# Altium PCB Power_Rail_Probe.PcbDoc
Units mm, origin at the board's own origin, x right, y up, seen from the top; angles counter-clockwise.
Board outline 160.2 x 55.2 mm, 4 copper layers (Top Layer, Layer 1, Layer 2, Bottom Layer), stack 1.592 mm thick; 122 components, 70 nets, 338 pads, 54 vias.
Unrouted connection lines stored in the file: 4.
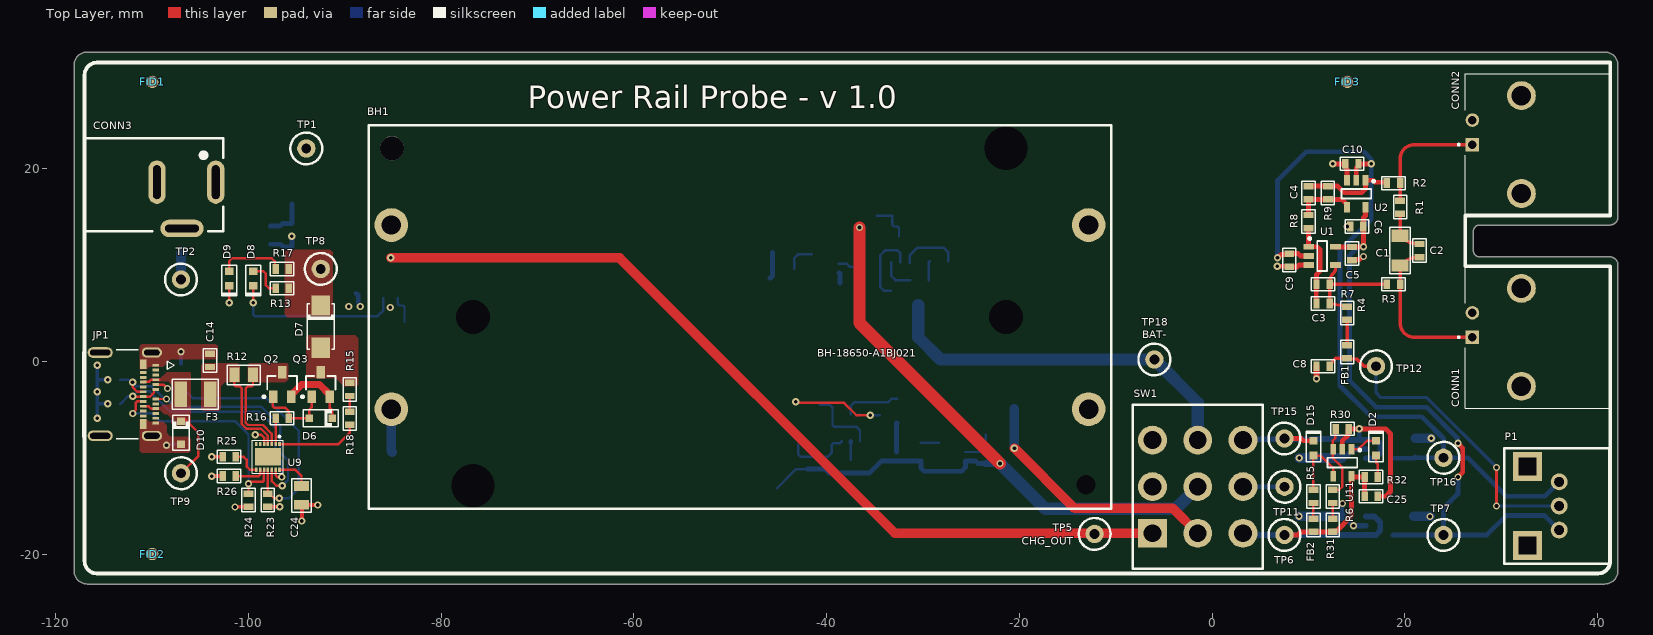
[diagram p0: Top Layer view]
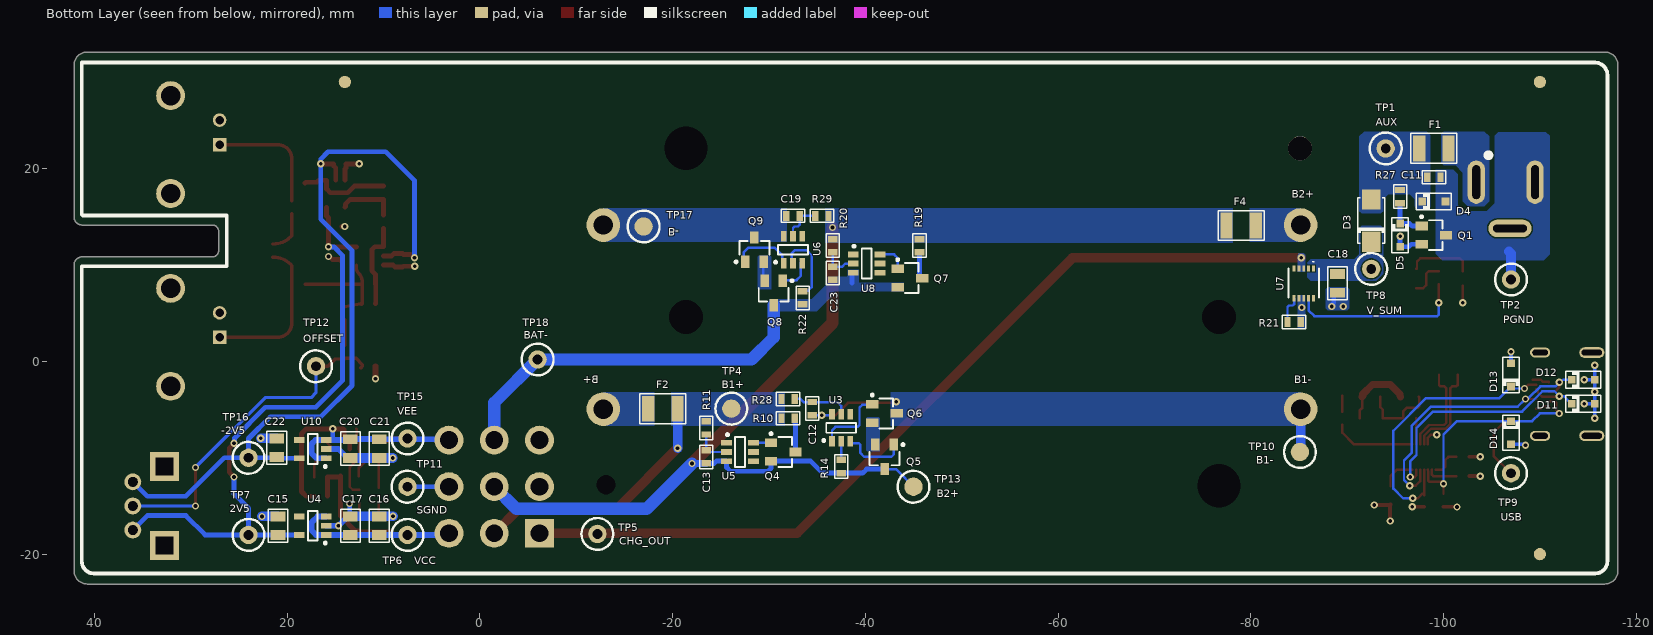
[diagram p1: Bottom Layer view, seen from below]
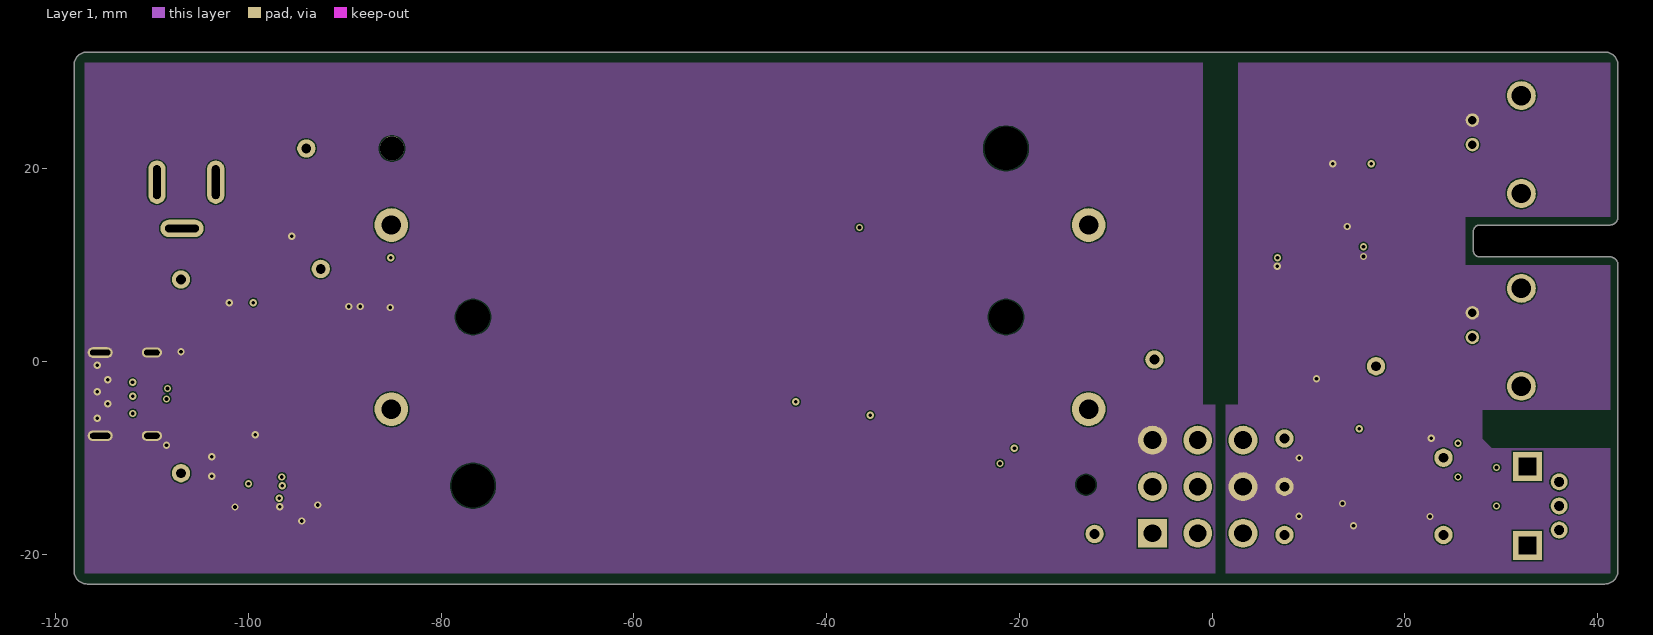
[diagram p2: Layer 1]
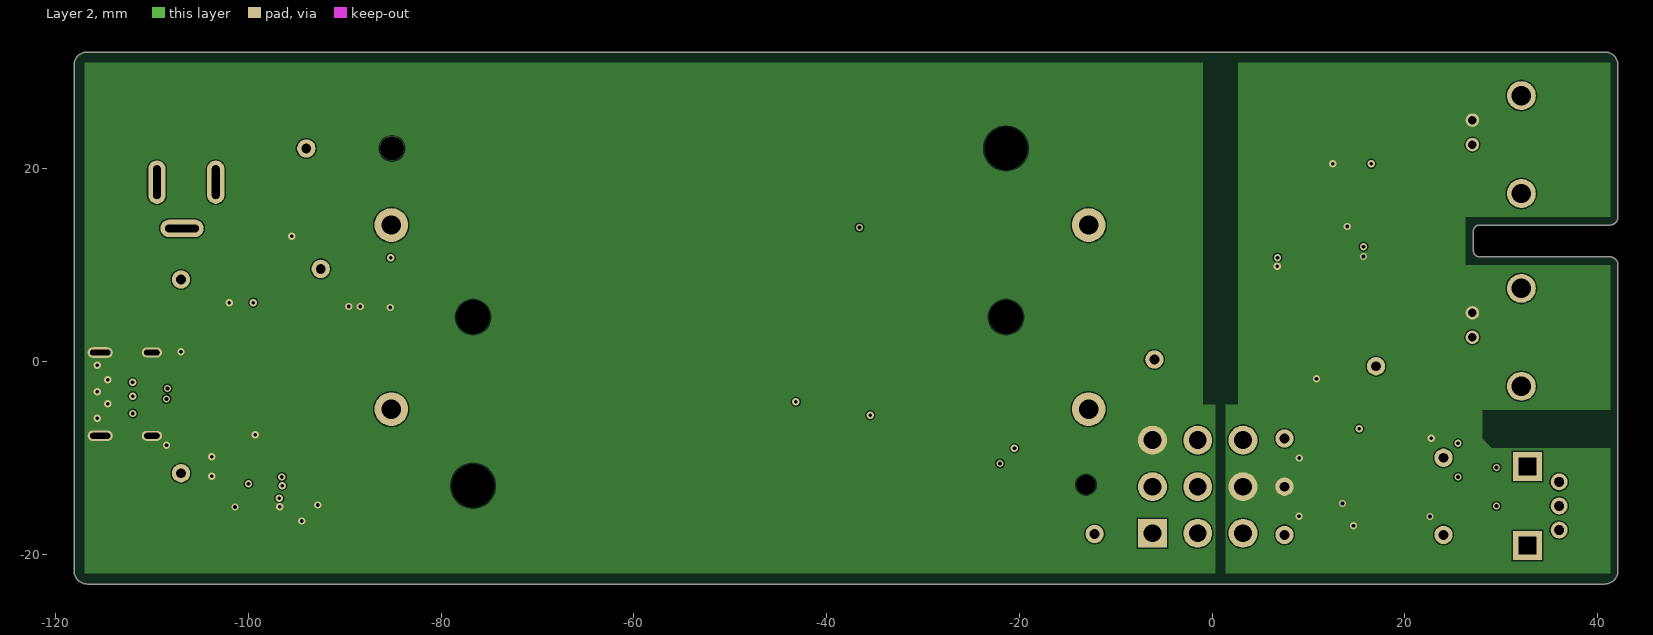
[diagram p3: Layer 2]
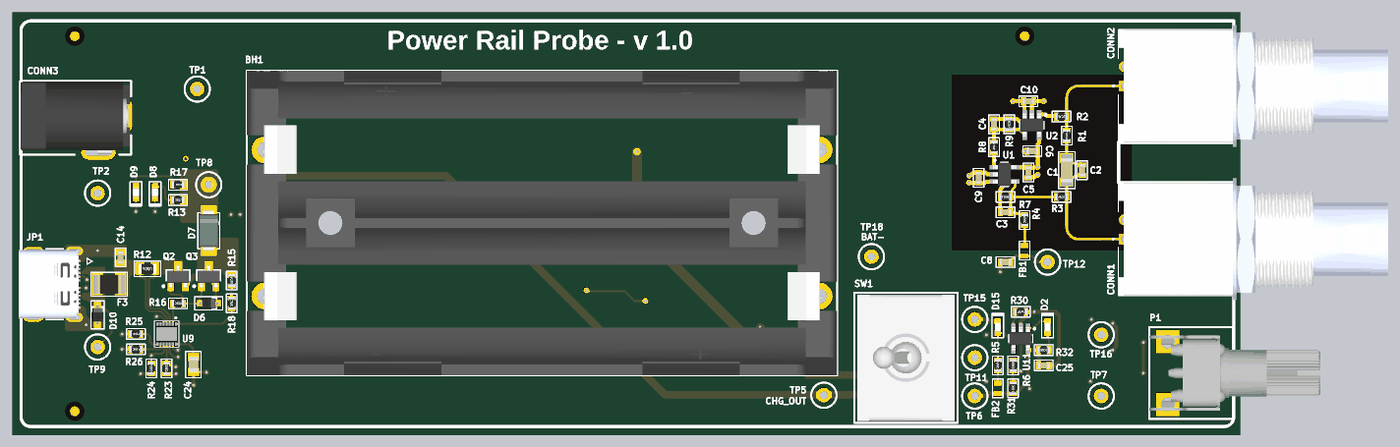
[diagram p4: 3D render of the assembled board from above, using the file's embedded part models]
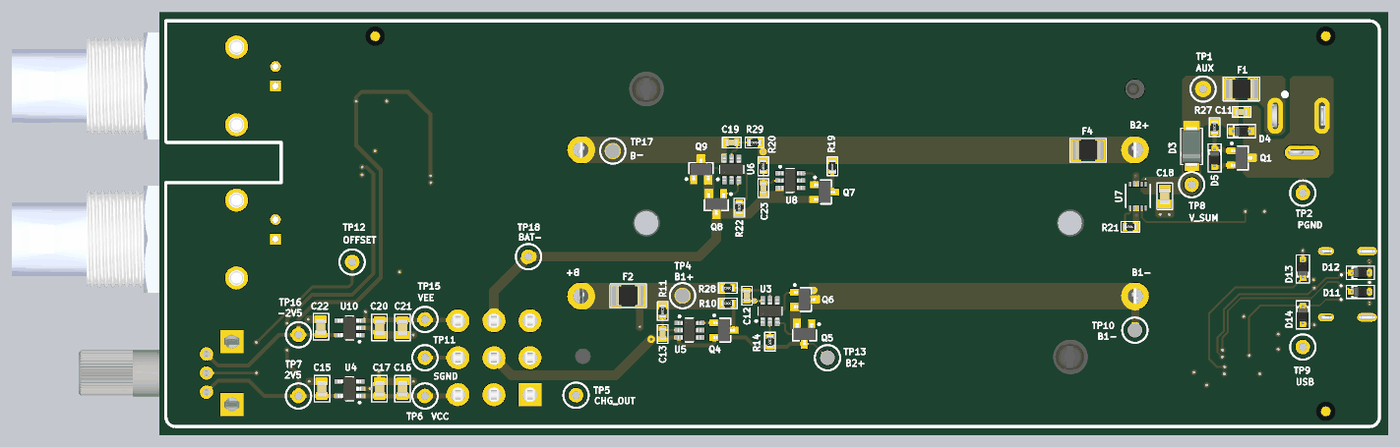
[diagram p5: 3D render of the assembled board from below, using the file's embedded part models]

## Layer stack, top to bottom
Top Solder: solder mask 0.0305, Solder Resist, Dk 3.5
Top Layer: signal copper 0.035
Dielectric 2: prepreg 0.2104, PP-022, Dk 4.4
Layer 1: signal copper 0.018
Dielectric 1: core 1.065, Core-043, Dk 4.6
Layer 2: signal copper 0.018
Dielectric 3: prepreg 0.2104, PP-022, Dk 4.4
Bottom Layer: signal copper 0.035
Bottom Solder: solder mask 0.0305, Solder Resist, Dk 3.5

## Board outline
-118.1,-21.73 ccw(c-116.73,-21.73) -116.73,-23.1 40.73,-23.1 ccw(c40.73,-21.73) 42.1,-21.73 42.1,10 ccw(c41.25,10) 41.25,10.85 27.75,10.85 cw(c27.75,11.5) 27.1,11.5 27.1,13.5 cw(c27.75,13.5) 27.75,14.15 41.25,14.15 ccw(c41.25,15) 42.1,15 42.1,30.73 ccw(c40.73,30.73) 40.73,32.1 -116.73,32.1 ccw(c-116.73,30.73) -118.1,30.73

## Design rules (kind name [scope] priority, off if disabled: settings)
Clearance [All] p1: gap=0.127 ignorepadtopadclearanceinfootprint=TRUE
DiffPairsRouting [InDifferentialPair('USB_D')] p1: maxlimit=0.254 minlimit=0.254 mostfreqgap=0.254 toplayer_minwidth=0.254 toplayer_maxwidth=0.381 toplayer_prefwidth=0.254 midlayer1_minwidth=0.254 midlayer1_maxwidth=0.381 midlayer1_prefwidth=0.254 midlayer2_minwidth=0.254 midlayer2_maxwidth=0.381 midlayer2_prefwidth=0.254 bottomlayer_minwidth=0.254 bottomlayer_maxwidth=0.381 bottomlayer_prefwidth=0.254 maxuncoupledlength=12.7
MatchedLengths MatchedLengths_USB [InDifferentialPair('USB_D')] p1: tolerance=25.4 checknetsindiffpair=FALSE checkdiffpairvsdiffpair=TRUE checkxsignals=TRUE checkothers=TRUE usedelayunits=TRUE delaytolerance=10.000000
PlaneConnect [All] p1: planeconnectstyle=Direct reliefexpansion=0.508 reliefentries=4 reliefconductorwidth=0.254 reliefairgap=0.254
PolygonConnect [All] p1: connectstyle=Direct reliefconductorwidth=0.254 reliefentries=4 polygonreliefangle="90 Angle" airgapwidth=0.254
RoutingVias [All] p1: holewidth=0.381 width=0.762 viastyle="Through Hole" minholewidth=0.381 minwidth=0.762 maxholewidth=0.762 maxwidth=1.016
SolderMaskExpansion [All] p1: expansion=0.102 istentingtop=FALSE
Width Width_Signal [InNetClass('50_Ohm_Tracks')] p1: maxlimit=0.349 minlimit=0.254 preferedwidth=0.349 toplayer_minwidth=0.349 bottomlayer_minwidth=0.349 impedanceprofiledriven=TRUE impedanceprofileid={102165CA-3B5F-4B1E-8828-496F2CCE18BE} impedanceprofilevalue=50.000000 minimp=50.000000 maximp=50.000000 favimp=50.000000
Width Width_Power [InNetClass('Power')] p2: maxlimit=2.54 minlimit=0.254 preferedwidth=0.254
Width [All] p3: maxlimit=1 minlimit=0.254 preferedwidth=0.254
28 further rules are at their usual default settings.

## Classes and differential pairs
net class 50_Ohm_Tracks: INPUT NetC1_2 NetC3_2 OUTPUT
net class Power: 2V5 -2V5 AUX BAT1_NEG BAT1_POS BAT2_NEG BAT2_POS BAT- GND_USB PGND SGND Vcc VCC_USB Vee VSUM
net class USB_POWER: GND_USB ISEL NetC14_2 NetC24_2 NetD6_A NetD6_K NetD7_A NetD9_A NetJP1_A2 NetJP1_A3 NetJP1_A8 NetJP1_A10 NetJP1_A11 NetJP1_B2 NetJP1_B3 NetJP1_B8 NetJP1_B10 NetJP1_B11 NetQ2_3 NetR15_1 NetR16_1 NetR18_1 NetR25_2 NetR26_2 NetU9_6 NetU9_7 USB_CC1 USB_CC2 USB_D_N USB_D_P VCC_USB VSEL VSUM
net class SIGNAL: 2V5 -2V5 INPUT NetC1_2 NetC3_1 NetC3_2 NetC4_1 NetC4_2 NetFB1_2 OFFSET OUTPUT SGND
net class ON_OFF: BAT1_POS BAT2_POS BAT- GND_USB NetSW1_1 NetSW1_4 SGND Vcc Vee
net class LDOS: 2V5 -2V5 NetU4_4 NetU10_4 SGND Vcc Vee
net class BATTERY: BAT1_NEG BAT1_POS BAT2_NEG BAT2_POS NetBH1_P1 NetBH1_P2
net class BAT_OVP_UVP: BAT1_NEG BAT1_POS BAT2_NEG BAT2_POS BAT- NetC12_2 NetC19_2 NetQ5_1 NetQ5_2 NetQ6_1 NetQ8_1 NetQ8_2 NetQ9_1 NetR14_2 NetR22_2 NetU3_4 NetU6_4
net class BAT_CHARGER: GND_USB NetD8_A NetD8_K NetR21_2 NetSW1_1 NetU7_5 NetU7_6 NetU7_11 VSUM
net class BAT_CHARGE_BALANCE: BAT1_POS BAT2_POS BAT- NetC13_2 NetC23_2 NetQ4_1 NetQ4_3 NetQ7_1 NetQ7_3 NetU5_4 NetU5_6 NetU8_4 NetU8_6
net class AUX_POWER: AUX GND_USB NetCONN3_1 NetCONN3_3 NetD5_K PGND VSUM
differential pair USB_D: +USB_D_P -USB_D_N

## Components (designator, comment, footprint, x,y, rotation, side; value= is the part's Value field where it differs from the comment)
BH1 "BH-18650-A1BJ021" BH-18650-A1BJ021 -49,4.6 r180 top locked
C1 "100nF" CAP_SMD_1206 19.5,11.5 r90 top
C2 "DNP" CAP_SMD_0603 21.5,11.5 r270 top
C3 "DNP" CAP_SMD_0603 11.5,6 r0 top
C4 "DNP" CAP_SMD_0603 10,17.5 r270 top
C5 "100nF" CAP_SMD_0603 14.5,11.186 r270 top
C6 "100nF" CAP_SMD_0603 15,14 r180 top
C8 "100nF" CAP_SMD_0603 11.5,-0.5 r0 top
C9 "100nF" CAP_SMD_0603 8,10.5 r270 top
C10 "100nF" CAP_SMD_0603 14.5,20.5 r180 top
C11 "100nF" CAP_SMD_0603 -99,19.1 r0 bottom
C12 "100nF" CAP_SMD_0603 -34.5,-4.9 r90 bottom
C13 "100nF" CAP_SMD_0603 -23.5,-9.9 r90 bottom
C14 "100nF" CAP_SMD_0603 -104,0.1 r270 top
C15 "2u2" CAP_SMD_0805 20.935,-17.05 r270 bottom
C16 "2u2" CAP_SMD_0805 10.435,-17.05 r270 bottom
C17 "2u2" CAP_SMD_0805 13.435,-17.05 r270 bottom
C18 "2u2" CAP_SMD_0805 -89,8.1 r90 bottom
C19 "100nF" CAP_SMD_0603 -32.5,15.1 r180 bottom
C20 "2u2" CAP_SMD_0805 13.435,-9.05 r270 bottom
C21 "2u2" CAP_SMD_0805 10.435,-9.05 r270 bottom
C22 "2u2" CAP_SMD_0805 21.065,-8.95 r90 bottom
C23 "100nF" CAP_SMD_0603 -36.635,9.15 r90 bottom
C24 "2u2" CAP_SMD_0805 -94.5,-13.9 r90 top
C25 "100nF" CAP_SMD_0603 16.5,-14 r0 top
CONN1 "IN" CONBNC002 27,2.5 r90 top
CONN2 "OUT" CONBNC002 27,22.5 r90 top
CONN3 "AUX" ADC-002A -103.4,18.6 r90 top
D2 "BAT_LOW" LED_0603_1608 17,-9 r90 top
D3 "SS14" DO_214_AC -92.5,14.6 r270 bottom
D4 "GSEC15B006" SOD_323 -99,16.6 r0 bottom
D5 "5V6" SOD_323 -95.5,13.1 r90 bottom
D6 "5V6" SOD_323 -92.5,-5.9 r0 top
D7 "SS14" DO_214_AC -92.5,3.6 r90 top
D8 "CHRG" LED_0603_1608 -99.5,8.6 r270 top
D9 "DNP" LED_0603_1608 -102,8.6 r270 top
D10 "GSEC15B006" SOD_323 -107,-7.4 r90 top
D11 "GSEC15B006" SOD_323 -114.5,-4.4 r0 bottom
D12 "GSEC15B006" SOD_323 -114.5,-1.9 r0 bottom
D13 "GSEC15B006" SOD_323 -107,-1.4 r270 bottom
D14 "GSEC15B006" SOD_323 -107,-7.4 r90 bottom
D15 "ON" LED_0603_1608 10.5,-9 r90 top
F1 "SMD1206B050TF/15" RES_SMD_1210 -99,22.1 r180 bottom
F2 "SMD1206B050TF/15" RES_SMD_1210 -19,-4.9 r180 bottom
F3 "SMD1206B050TF/15" RES_SMD_1210 -105.5,-3.4 r180 top
F4 "SMD1206B050TF/15" RES_SMD_1210 -79,14.1 r0 bottom
FB1 "MPZ1608S102ATA00" FERRITE_SMD_0603 14,1 r90 top
FB2 "MPZ1608S102ATA00" FERRITE_SMD_0603 10.5,-17 r270 top
FID1 "Fiducial" Fiducial -110,29 r90 top
FID2 "Fiducial" Fiducial -110,-20 r90 top
FID3 "Fiducial" Fiducial 14,29 r90 top
JP1 "698A106-162-211" 1054500101 -112.5,-3.4 r270 top
P1 "10K" POTENCIOMETRO_RK09K1110A0J 36,-15 r0 top
Q1 "SSF2300" SOT_23-3 -99,13.1 r180 bottom
Q2 "SSF2300" SOT_23-3 -96.5,-2.4 r90 top
Q3 "SSF2300" SOT_23-3 -92.5,-2.4 r90 top
Q4 "SSF2300" SOT_23-3 -31.5,-9.4 r180 bottom
Q5 "SSF2300" SOT_23-3 -42,-9.9 r270 bottom
Q6 "SSF2300" SOT_23-3 -42,-5.4 r180 bottom
Q7 "SSF2300" SOT_23-3 -44.635,8.65 r180 bottom
Q8 "SSF2300" SOT_23-3 -30.5,7.1 r270 bottom
Q9 "SSF2300" SOT_23-3 -28.5,11.6 r90 bottom
R1 "4R99" RES_SMD_0603 19.5,16 r90 top
R2 "499R" RES_SMD_0603 18.814,18.5 r0 top
R3 "49K9" RES_SMD_0603 18.814,8 r0 top
R4 "2K49" RES_SMD_0603 14,5 r90 top
R5 "1K" RES_SMD_0603 10.5,-14 r90 top
R6 "82k" RES_SMD_0603 12.5,-14 r270 top
R7 "49K9" RES_SMD_0603 11.5,8 r180 top
R8 "1K" RES_SMD_0603 10,14.5 r90 top
R9 "1K" RES_SMD_0603 12,17.5 r90 top
R10 "100R" RES_SMD_0603 -32,-5.9 r0 bottom
R11 "100R" RES_SMD_0603 -23.5,-6.9 r90 bottom
R12 "5mR" RES_SMD_0805 -100.5,-1.4 r180 top
R13 "1K" RES_SMD_0603 -96.5,7.6 r0 top
R14 "1K" RES_SMD_0603 -37.5,-10.9 r90 bottom
R15 "100R" RES_SMD_0603 -89.5,-2.9 r90 top
R16 "10k" RES_SMD_0603 -96.5,-5.9 r0 top
R17 "DNP" RES_SMD_0603 -96.5,9.6 r0 top
R18 "100R" RES_SMD_0603 -89.5,-5.9 r90 top
R19 "100R" RES_SMD_0603 -45.635,12.006 r90 bottom
R20 "100R" RES_SMD_0603 -36.635,12.006 r90 bottom
R21 "1K" RES_SMD_0603 -84.5,4.1 r0 bottom
R22 "1K" RES_SMD_0603 -33.5,6.6 r90 bottom
R23 "5K1" RES_SMD_0603 -98,-14.4 r90 top
R24 "5K1" RES_SMD_0603 -100,-14.4 r90 top
R25 "82k" RES_SMD_0603 -102,-9.9 r0 top
R26 "82k" RES_SMD_0603 -102,-11.9 r0 top
R27 "10k" RES_SMD_0603 -95.5,17.1 r90 bottom
R28 "100R" RES_SMD_0603 -32,-3.9 r0 bottom
R29 "100R" RES_SMD_0603 -35.5,15.1 r180 bottom
R30 "49K9" RES_SMD_0603 13.5,-7 r180 top
R31 "82k" RES_SMD_0603 12.5,-17 r270 top
R32 "1K" RES_SMD_0603 16.5,-12 r0 top
SW1 "GF-661-0010" 1003P1T2B1M2QEH -1.5,-13 r270 top
TP1 "AUX" Test_Point_THT -94,22.1 r0 top
TP2 "PGND" Test_Point_THT -107,8.5 r0 top
TP4 "B1+" Test_Point_SMD -26.1,-4.9 r180 bottom
TP5 "CHG_OUT" Test_Point_THT -12.2,-17.9 r270 top
TP6 "VCC" Test_Point_THT 7.5,-18 r90 top
TP7 "2V5" Test_Point_THT 24,-18 r90 top
TP8 "V_SUM" Test_Point_THT -92.5,9.6 r0 top
TP9 "USB" Test_Point_THT -107,-11.6 r0 top
TP10 "B1-" Test_Point_SMD -85.1,-9.4 r180 bottom
TP11 "SGND" Test_Point_THT 7.5,-13 r90 top
TP12 "OFFSET" Test_Point_THT 17,-0.5 r0 top
TP13 "B2+" Test_Point_SMD -45,-13 r180 bottom
TP15 "VEE" Test_Point_THT 7.5,-8 r90 top
TP16 "-2V5" Test_Point_THT 24,-10 r90 top
TP17 "B2-" Test_Point_SMD -17,14 r180 bottom
TP18 "BAT-" Test_Point_THT -6,0.2 r90 top
U1 "OPA354AIDBVR" SOT_23-5#1 10,11.9 r0 top
U2 "OPA354AIDBVR" SOT_23-5#1 15.9,18.794 r270 top
U3 "DW01A" SOT_23-6 -37.5,-6.9 r90 bottom
U4 "NCP163ASN250T1G" SOT_23-5#1 15.935,-18 r0 bottom
U5 "HY2213" SOT_23-6 -27,-9.4 r180 bottom
U6 "DW01A" SOT_23-6 -32.5,11.6 r90 bottom
U7 "MCP73123" DFN_10 -85.5,8.1 r270 bottom
U8 "HY2213" SOT_23-6 -40.135,10.15 r180 bottom
U9 "AP33771CFBZ-13-FA01" DFN_14 -98,-9.9 r270 top
U10 "ADP7183ACPZN-R7" SOT_23-5#1 15.935,-10.05 r0 bottom
U11 "OPA354AIDBVR" SOT_23-5#2 13.5,-10.5 r270 top

## Footprints (in the part's own frame and the unit in brackets; to place one, negate y for a bottom-side part, rotate by r counter-clockwise, add the part's x,y. Pads: shape width x height; smd on the part's side, far side on the other; paste and mask are expansions set on the pad)
1003P1T2B1M2QEH [mm] "Interruptor Palanca 3PDT"
  rect 3x3 hole 1.85: 1(4.83,-4.7)
  round 3 hole 1.85: 2(4.83,0) 3(4.83,4.7) 4(0,-4.7) 5(0,0) 6(0,4.7) 7(-4.83,-4.7) 8(-4.83,0) 9(-4.83,4.7)
  silkscreen extent -8.5,-6.75 8.5,6.75, body extent -8.26,-6.35 8.26,6.35, height 31.34
1054500101 [mm] "USB C 3.2"
  rect 0.298x0.7 smd mask+0.064: A1(-3,2.885) A2(-2.5,2.885) A3(-2,2.885) A4(-1.5,2.885) A5(-1,2.885) A6(-0.5,2.885) A7(0.5,2.885) A8(1,2.885) A9(1.5,2.885) A10(2,2.885) A11(2.5,2.885) A12(3,2.885) B2(2.25,1.585) B3(1.75,1.585) B4(1.25,1.585) B5(0.75,1.585) B6(0.25,1.585) B7(-0.25,1.585) B8(-0.75,1.585) B9(-1.25,1.585) B10(-1.75,1.585) B11(-2.25,1.585)
  rect 0.998x0.7 smd mask+0.064: B1(3.1,1.585) B12(-3.1,1.585)
  oval 1.036x2.1 hole 0.6 slot 1.6 at 90 deg mask+0.064: SH(-4.32,2.475) SH(4.32,2.475)
  oval 1.1x2.6 hole 0.6 slot 2.1 at 90 deg mask+0.064: SH(-4.32,-2.885) SH(4.32,-2.885)
  silkscreen extent -4.62,-4.68 4.62,4.79, body extent -4.47,-4.83 4.47,3.07, height 3.2
ADC-002A [mm] "Power Barrel Connector Jack Through Hole, Right Angle"
  oval 4.5x1.8 hole 0.8 slot 3.5 at 0 deg: 1(0,0) 2(0,6.1)
  oval 1.8x4.5 hole 0.8 slot 3.5 at 90 deg: 3(-4.8,3.5)
  silkscreen extent -5.08,-0.76 4.57,13.72, body extent -4.97,-0.65 4.5,13.65, height 11.05
BH-18650-A1BJ021 [mm] "2 Cell 18650 PCB Battery Holder"
  round 3.5 hole 2: N1(36.175,9.55) N2(-36.175,-9.55) P1(-36.175,9.55) P2(36.175,-9.55)
  oval 0x3.31 hole 2 unplated: ""(-35.9,17.4)
  round 3.68 hole 4.5 unplated: ""(-27.6,-17.5) ""(27.7,17.5)
  round 3.31 hole 3.5 unplated: ""(-27.6,0) ""(27.7,0)
  round 2.51 hole 2.51 unplated: ""(36.11,-17.5)
  silkscreen extent -38.53,-19.89 38.53,19.89, body extent -38.53,-19.89 38.53,19.89, height 14.91
CAP_SMD_0603 [mil]
  rect 26x40 smd paste-50: 1(-27,0) 2(27,0)
  silkscreen extent -48,-27 48,27, body extent -31,-16 31,16, height 32
CAP_SMD_0805 [mil]
  rect 40x60 smd paste-50: 1(-38,0) 2(38,0)
  silkscreen extent -68,-40 68,40, body extent -39,-25 39,25, height 24
CAP_SMD_1206 [mil]
  rect 50x70 smd paste-50: 1(-61,0) 2(61,0)
  silkscreen extent -95,-42 95,42, body extent -63,-31 63,31, height 31
CONBNC002 [mm] "BNC CONNECTOR RIGHT ANGLE JACK"
  rect 1.398x1.398 / inner round 1.398 / far side rect 1.398x1.398 hole 0.89: 1(0,0)
  round 1.398 hole 0.89: 2(2.54,0)
  round 3 hole 2: S1(-5.08,-5.08) S2(5.08,-5.08)
  silkscreen extent -7.37,-14.2 7.37,1.52, body extent -7.95,-34.46 7.95,0.74, height 14.89
DFN_10 [mm] "DFN-10"
  rect 0.65x0.3 smd: 1(-1.55,1) 2(-1.55,0.5) 3(-1.55,0) 4(-1.55,-0.5) 5(-1.55,-1) 6(1.55,1) 7(1.55,0.5) 8(1.55,0) 9(1.55,-0.5) 10(1.55,-1)
  silkscreen extent -2.3,-1.6 1.45,1.6, body extent -1.58,-1.53 1.47,1.52, height 0.9
DFN_14 [mm]
  rect 0.45x0.27 smd: 1(-1.325,1.215) 2(-1.325,0.815) 3(-1.325,0.415) 4(-1.325,0.015) 5(-1.325,-0.385) 6(-1.325,-0.785) 7(-1.325,-1.185) 8(1.325,-1.185) 9(1.325,-0.785) 10(1.325,-0.385) 11(1.325,0.015) 12(1.325,0.415) 13(1.325,0.815) 14(1.325,1.215)
  rect 1.8x2.7 smd: PAD(0,0)
  silkscreen extent -2.2,-1.6 1.7,1.6, body extent -1.53,-1.53 1.52,1.52, height 0.8
DO_214_AC [mil]
  rect 82x75 smd paste-3937.01: A(-86,0) K(86,0)
  silkscreen extent -93,-56 93,56, body extent -102,-51 102,51, height 95
FERRITE_SMD_0603 [mil]
  rect 26x40 smd paste-50: 1(-27,0) 2(27,0)
  silkscreen extent -48,-27 48,27, body extent -32,-16 32,17, height 31
Fiducial [mm] "Diametro 1mm"
  round 1.27 smd far side paste-0.635 mask+0.635: 1(0,0)
  round 1.27 smd paste-0.635 mask+0.635: 1(0.008,-0.018)
LED_0603_1608 [mm]
  rect 0.8x0.85 smd paste-5.08: A(-0.762,0) K(0.762,0)
  silkscreen extent -1.39,-0.76 1.78,0.76, body extent -0.8,-0.4 0.8,0.4, height 0.4
POTENCIOMETRO_RK09K1110A0J [mm] "10k Ohm 1 Gang Linear Panel Mount Potentiometer 1.0 Turns 0.05W, 1/20W PC Pins, Board Locks"
  round 1.75 hole 1: 1(0,2.5) 2(0,0) 3(0,-2.5)
  rect 3x3 hole 1.8 square: CASE(-3.3,-4.1) CASE(-3.3,4.1)
  silkscreen extent -5.7,-6 5.2,6, body extent -5.7,-4.9 16.6,4.9, height 12
RES_SMD_0603 [mil]
  rect 26x40 smd paste-50: 1(-27,0) 2(27,0)
  silkscreen extent -48,-27 48,27, body extent -32,-16 32,17, height 18
RES_SMD_0805 [mil]
  rect 40x60 smd paste-50: 1(-38,0) 2(38,0)
  silkscreen extent -68,-40 68,40, body extent -45,-27 45,27, height 30
RES_SMD_1210 [mil]
  rect 50x105 smd paste-50: 1(-60,0) 2(60,0)
  silkscreen extent -94,-61 94,61, body extent -63,-49 63,49, height 22
SOD_323 [mm]
  rect 0.8x0.8 smd paste-5.08: A(-1.2,0) K(1.2,0)
  silkscreen extent -1.83,-0.89 1.83,0.89, body extent -1.3,-0.67 1.3,0.67, height 1.12
SOT_23-3 [mil]
  rect 50x35 smd paste-50: 1(-50,37.4) 2(-50,-37.4) 3(50,0)
  silkscreen extent -55,-61 34,80, body extent -55,-57 55,57, height 61
SOT_23-5#1 [mm]
  rect 1.1x0.6 smd paste+0: 1(0,0) 2(0,-0.95) 3(0,-1.9) 4(2.794,-1.9) 5(2.794,0)
  silkscreen extent -0.03,-2.5 1.9,0.97, body extent -0.1,-2.48 2.9,0.58, height 1.45
SOT_23-5#2 [mm]
  rect 1.1x0.6 smd paste+0: 1(-1.397,0.95) 2(-1.397,0) 3(-1.397,-0.95) 4(1.397,-0.95) 5(1.397,0.95)
  silkscreen extent -1.42,-1.55 0.5,1.93, body extent -1.5,-1.53 1.5,1.53, height 1.45
SOT_23-6 [mm]
  rect 1.1x0.6 smd paste+0: 1(-1.397,0.95) 2(-1.397,0) 3(-1.397,-0.95) 4(1.397,-0.95) 5(1.397,0) 6(1.397,0.95)
  silkscreen extent -1.42,-1.55 0.5,1.93, body extent -1.5,-1.5 1.5,1.5, height 1.46
Test_Point_SMD [mm] "Diametro 1mm"
  round 1.905 smd: 1(0,0)
  silkscreen extent -1.65,-1.65 1.65,1.65
Test_Point_THT [mil] "Diametro 1mm"
  round 75 hole 40: 1(0,0)
  silkscreen extent -65,-65 65,65
